# Altium PCB SOM Board with RK3399.PcbDoc (part 2 of 5) (continued)
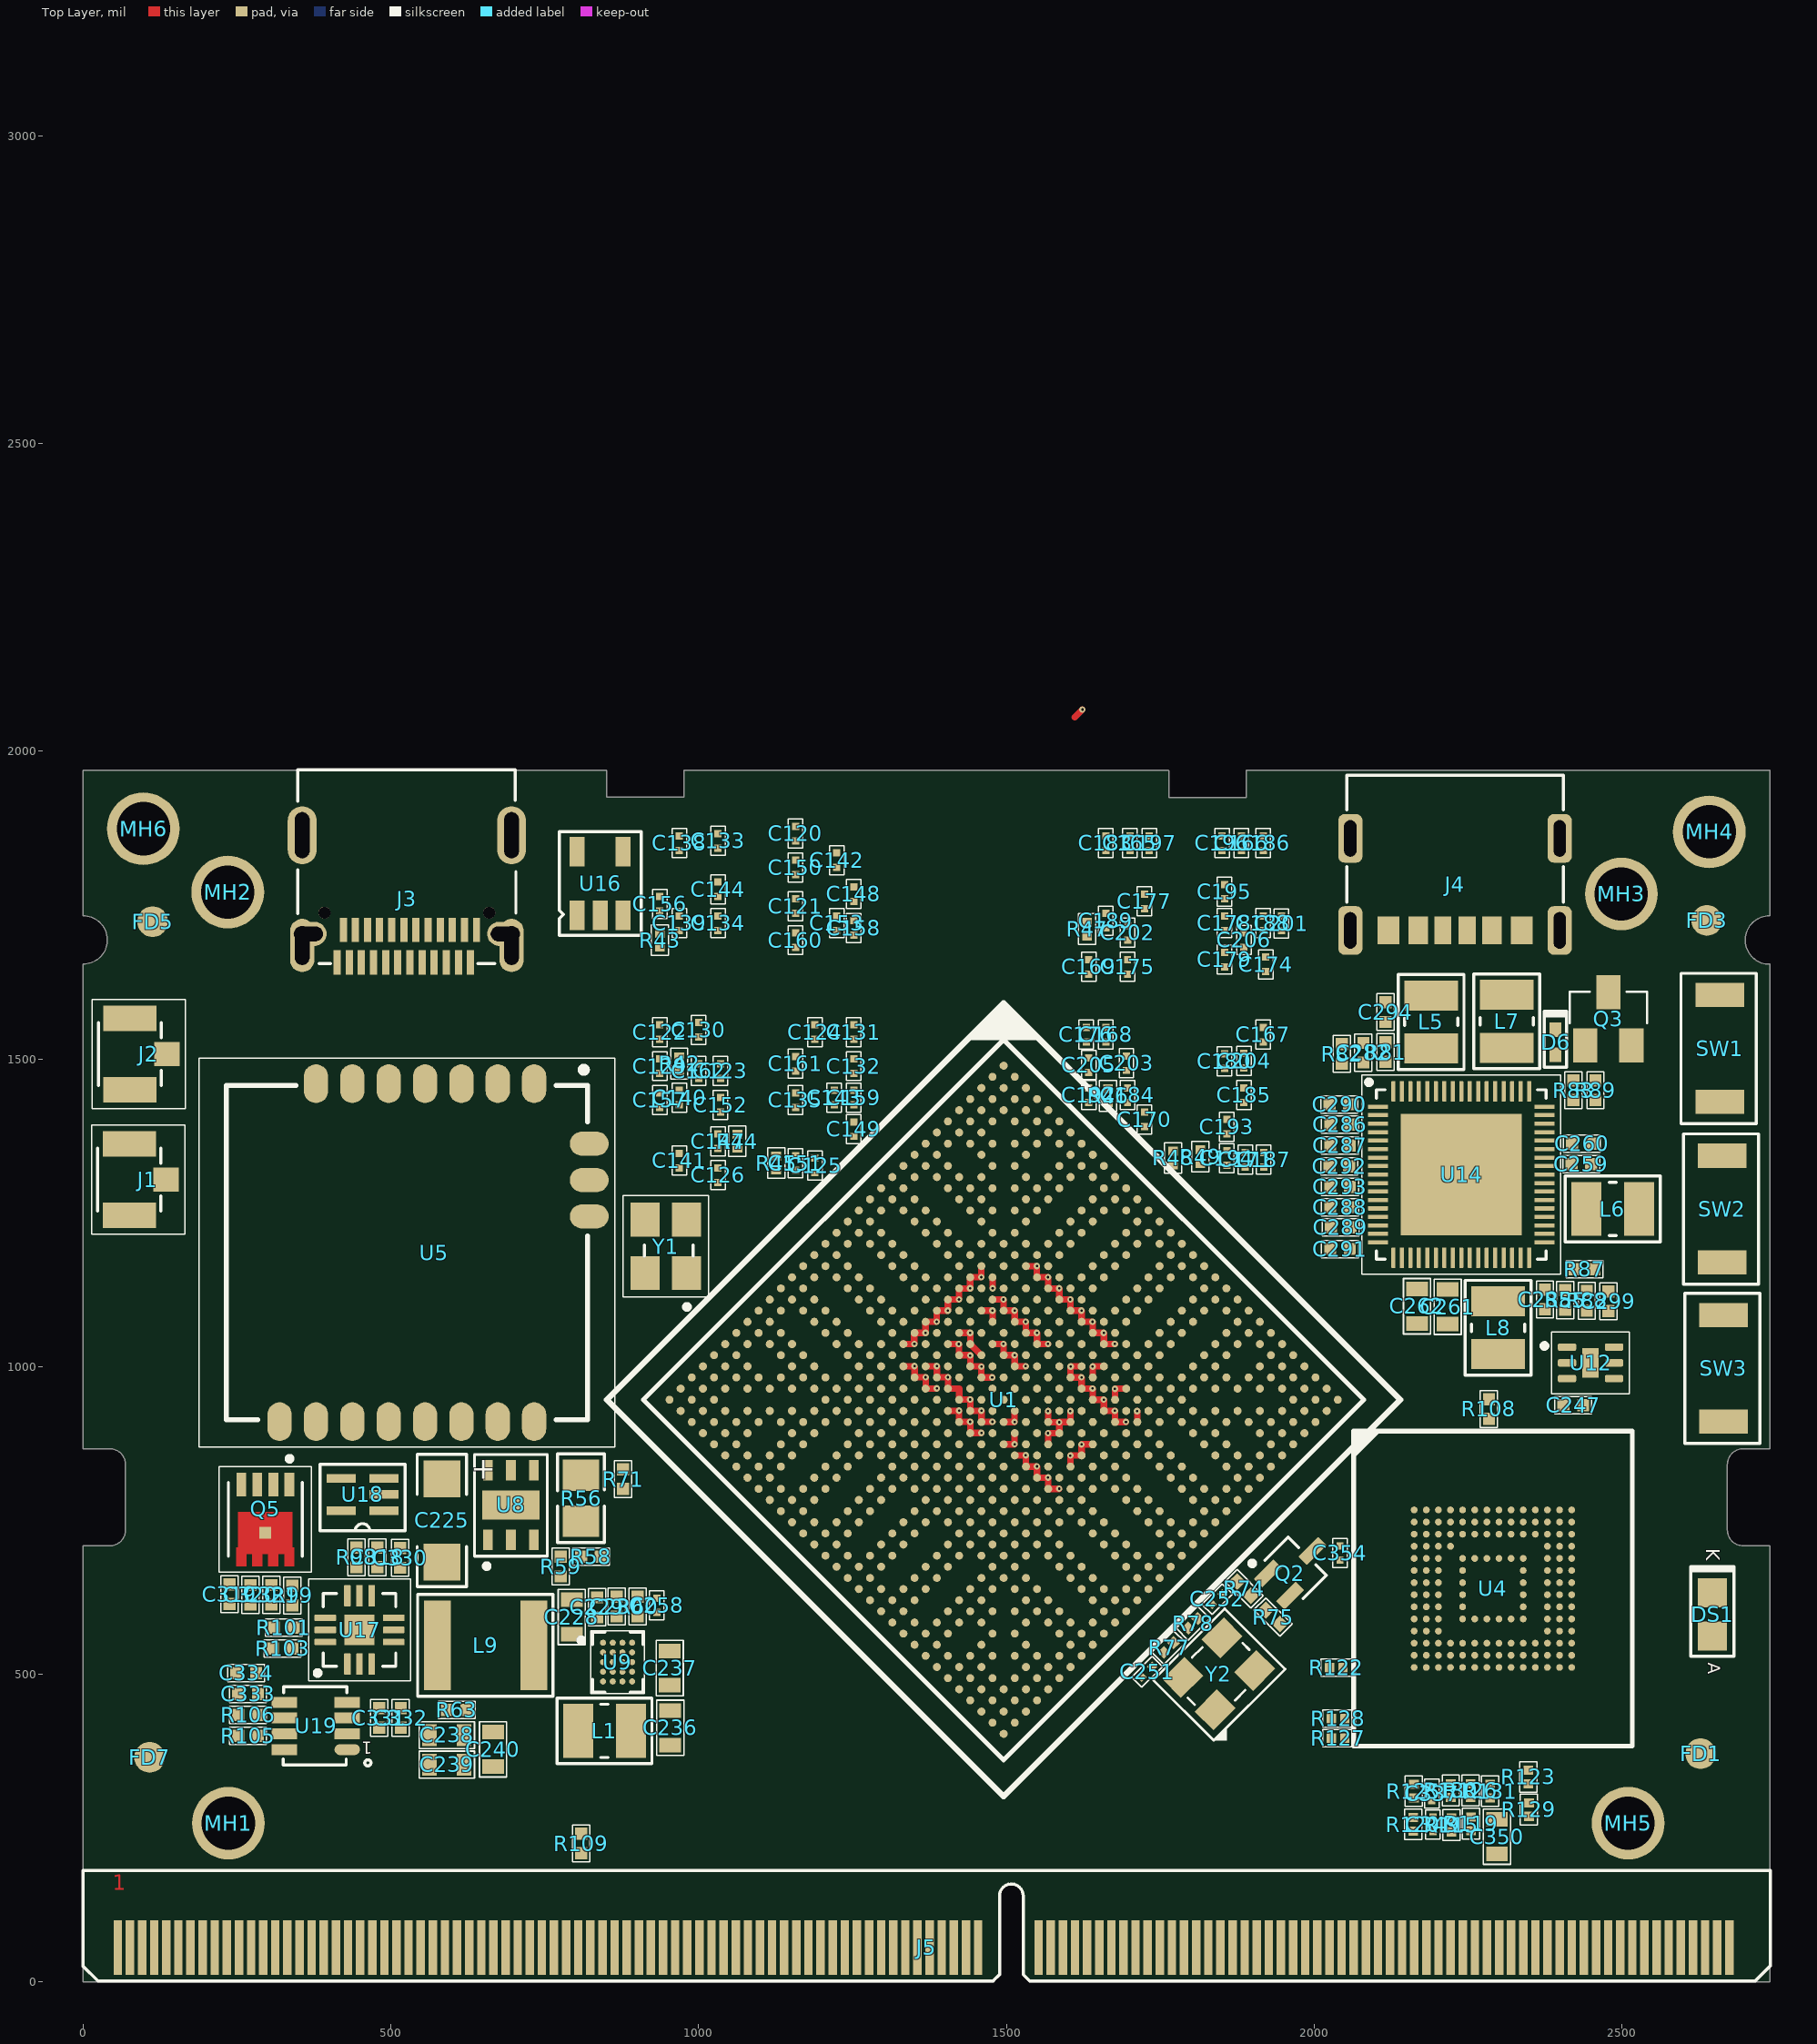
[diagram p0: Top Layer view]
## Footprints (in the part's own frame and the unit in brackets; to place one, negate y for a bottom-side part, rotate by r counter-clockwise, add the part's x,y. Pads: shape width x height; smd on the part's side, far side on the other; paste and mask are expansions set on the pad) (continued)
  silkscreen extent -11.57,-11.57 11.58,11.58, body extent -10.51,-10.51 10.51,10.51, height 1.61
FIDUCIAL_50MIL [mil] "30mil Fiducial"
  round 50 smd mask+20: 1(-0.09,-0.07)
IND_62.9_110X86.6_SMD [mm] "Inductor"
  rect 0.8x1.7 smd: 1(-0.8,0) 2(0.8,0)
  silkscreen extent -1.4,-1.1 1.4,1.1, body extent -0.79,-0.84 0.84,0.84, height 1.2
IND_0805 [mm] "Inductor"
  rect 1.14x1.47 smd: 1(-0.89,0) 2(0.89,0)
  silkscreen extent -1.71,-0.98 1.71,0.98, body extent -1.05,-0.79 1.05,0.79, height 0.9
IND_1008 [mm] "Inductor"
  rect 1.24x2.22 smd: 1(-1.09,0) 2(1.09,0)
  silkscreen extent -1.96,-1.36 1.96,1.36, body extent -1.46,-1.39 1.46,1.4, height 2.01
IND_1616 [mm] "Inductor"
  rect 1.1x3.7 smd: 1(-1.994,0) 2(1.994,0)
  silkscreen extent -2.81,-2.1 2.78,2.1, body extent -2.23,-2.09 2.21,2.04, height 1.26
LED_0805 [mm] "LED"
  rect 1.2x1.2 smd mask+0.076: A(0.889,0) K(-0.889,0)
  silkscreen extent -1.99,-0.89 1.73,0.89, body extent -1.01,-0.62 1.01,0.63, height 1.1
MLP-14_98.4X98.4_SMD [mm] "MLP Package"
  rrect50% 0.7x0.26 smd mask+0.076: 1(-1.25,0.5) 2(-1.25,0) 3(-1.25,-0.5) 8(1.25,-0.5) 9(1.25,0) 10(1.25,0.5)
  rrect50% 0.26x0.7 smd mask+0.076: 4(-0.75,-1.25) 5(-0.25,-1.25) 6(0.25,-1.25) 7(0.75,-1.25) 11(0.75,1.25) 12(0.25,1.25) 13(-0.25,1.25) 14(-0.75,1.25)
  rect 1.1x1.1 smd paste-2 mask+0.076: 15(0,0)
  silkscreen extent -2.23,-1.85 1.85,1.85, body extent -1.3,-1.3 1.3,1.3, height 0.8
MOD_WF60 [mm] "17-Leads, Body 13.50x14.60mm, Pitch 1.50mm, IPC Medium Density"
  oval 1.6x1 smd: 1(-6.975,5.25) 2(-6.975,3.75) 3(-6.975,2.25) 4(-6.975,0.75) 5(-6.975,-0.75) 6(-6.975,-2.25) 7(-6.975,-3.75) 8(6.975,-5.25) 9(6.975,-3.75) 10(6.975,-2.25) 11(6.975,-0.75) 12(6.975,0.75) 13(6.975,2.25) 14(6.975,3.75) 15(6.975,5.25)
  oval 1x1.6 smd: 16(-1.5,7.525) 17(-3,7.525) 18(-4.5,7.525)
  silkscreen extent -8.03,-8.58 8.03,8.57, body extent -6.76,-7.31 6.76,7.31, height 2.7
NFBGA_31.4_125.9X102.36 [mm] "BGA, 20-Leads, Body 3.00x2.50mmx0.80mm, Pitch 0.50mm"
  round 0.29 smd: A1(-1,0.75) A2(-1,0.25) A3(-1,-0.25) A4(-1,-0.75) B1(-0.5,0.75) B2(-0.5,0.25) B3(-0.5,-0.25) B4(-0.5,-0.75) C1(0,0.75) C2(0,0.25) C3(0,-0.25) C4(0,-0.75) D1(0.5,0.75) D2(0.5,0.25) D3(0.5,-0.25) D4(0.5,-0.75) E1(1,0.75) E2(1,0.25) E3(1,-0.25) E4(1,-0.75)
  silkscreen extent -1.95,-1.5 1.75,1.5, body extent -1.5,-1.25 1.5,1.25, height 0.8
PowerPAK_1212-8_SMD [mm] "Mosfet"
  rect 0.99x0.405 smd: 1(-0.996,0.99) 2(-0.996,0.33) 3(-0.996,-0.33) 4(-0.996,-0.99)
  rect 0.5x0.5 smd paste-1 mask+0: 5(0.996,0)
  Top Layer region: 2.369,0.787 1.859,0.787 1.859,0.533 2.369,0.533 2.369,0.128 1.859,0.128 1.859,-0.128 2.369,-0.128 2.369,-0.533 1.859,-0.533 1.859,-0.787 2.369,-0.787 2.369,-1.195 1.609,-1.195 1.609,-1.118 0.134,-1.118 0.134,1.118 1.609,1.118 1.609,1.195 2.369,1.195
  silkscreen extent -2.16,-1.9 2.62,1.9, body extent -1.16,-1.68 2.14,1.62, height 1.05
QFN48_19.6_324X324_SMD [mm] "QFN Package"
  rect 0.86x0.26 smd: 1(-3.435,2.75) 2(-3.435,2.25) 3(-3.435,1.75) 4(-3.435,1.25) 5(-3.435,0.75) 6(-3.435,0.25) 7(-3.435,-0.25) 8(-3.435,-0.75) 9(-3.435,-1.25) 10(-3.435,-1.75) 11(-3.435,-2.25) 12(-3.435,-2.75) 25(3.435,-2.75) 26(3.435,-2.25) 27(3.435,-1.75) 28(3.435,-1.25) 29(3.435,-0.75) 30(3.435,-0.25) 31(3.435,0.25) 32(3.435,0.75) 33(3.435,1.25) 34(3.435,1.75) 35(3.435,2.25) 36(3.435,2.75)
  rect 0.26x0.86 smd: 13(-2.75,-3.435) 14(-2.25,-3.435) 15(-1.75,-3.435) 16(-1.25,-3.435) 17(-0.75,-3.435) 18(-0.25,-3.435) 19(0.25,-3.435) 20(0.75,-3.435) 21(1.25,-3.435) 22(1.75,-3.435) 23(2.25,-3.435) 24(2.75,-3.435) 37(2.75,3.435) 38(2.25,3.435) 39(1.75,3.435) 40(1.25,3.435) 41(0.75,3.435) 42(0.25,3.435) 43(-0.25,3.435) 44(-0.75,3.435) 45(-1.25,3.435) 46(-1.75,3.435) 47(-2.25,3.435) 48(-2.75,3.435)
  rect 5.1x5.1 smd: 49(0,0)
  silkscreen extent -4.12,-4.12 4.12,4.12
QFN68_13.7_220.4X220.4_SMD [mm] "QFN Package"
  rrect25% 0.84x0.17 smd mask+0.076: 1(-3.435,2.8) 2(-3.435,2.45) 3(-3.435,2.1) 4(-3.435,1.75) 5(-3.435,1.4) 6(-3.435,1.05) 7(-3.435,0.7) 8(-3.435,0.35) 9(-3.435,0) 10(-3.435,-0.35) 11(-3.435,-0.7) 12(-3.435,-1.05) 13(-3.435,-1.4) 14(-3.435,-1.75) 15(-3.435,-2.1) 16(-3.435,-2.45) 17(-3.435,-2.8) 35(3.435,-2.8) 36(3.435,-2.45) 37(3.435,-2.1) 38(3.435,-1.75) 39(3.435,-1.4) 40(3.435,-1.05) 41(3.435,-0.7) 42(3.435,-0.35) 43(3.435,0) 44(3.435,0.35) 45(3.435,0.7) 46(3.435,1.05) 47(3.435,1.4) 48(3.435,1.75) 49(3.435,2.1) 50(3.435,2.45) 51(3.435,2.8)
  rrect25% 0.17x0.84 smd mask+0.076: 18(-2.8,-3.435) 19(-2.45,-3.435) 20(-2.1,-3.435) 21(-1.75,-3.435) 22(-1.4,-3.435) 23(-1.05,-3.435) 24(-0.7,-3.435) 25(-0.35,-3.435) 26(0,-3.435) 27(0.35,-3.435) 28(0.7,-3.435) 29(1.05,-3.435) 30(1.4,-3.435) 31(1.75,-3.435) 32(2.1,-3.435) 33(2.45,-3.435) 34(2.8,-3.435) 52(2.8,3.435) 53(2.45,3.435) 54(2.1,3.435) 55(1.75,3.435) 56(1.4,3.435) 57(1.05,3.435) 58(0.7,3.435) 59(0.35,3.435) 60(0,3.435) 61(-0.35,3.435) 62(-0.7,3.435) 63(-1.05,3.435) 64(-1.4,3.435) 65(-1.75,3.435) 66(-2.1,3.435) 67(-2.45,3.435) 68(-2.8,3.435)
  rect 5x5 smd paste-4 mask+0.076: 69(0,0)
  silkscreen extent -4.11,-4.11 4.11,4.11, body extent -3.5,-3.51 3.51,3.51, height 1.3
QFN-12_19_118X118_SMD [mm] "QFN Package"
  rrect25% 0.89x0.27 smd: 1(-1.41,0.5) 2(-1.41,0) 3(-1.41,-0.5) 7(1.41,-0.5) 8(1.41,0) 9(1.41,0.5)
  rrect25% 0.27x0.89 smd: 4(-0.5,-1.41) 5(0,-1.41) 6(0.5,-1.41) 10(0.5,1.41) 11(0,1.41) 12(-0.5,1.41)
  rect 1.25x1.25 smd paste-2: 13(0,0)
  silkscreen extent -2.1,-2.1 2.1,2.1, body extent -1.5,-1.5 1.5,1.5, height 1
RES_0201 [mm]
  rect 0.38x0.4 smd: 1(-0.28,0) 2(0.28,0)
  silkscreen extent -0.64,-0.36 0.64,0.36, body extent -0.34,-0.16 0.34,0.17, height 0.35
RES_0402 [mm]
  rect 0.5x0.5 smd mask+0.051: 1(-0.406,0) 2(0.406,0)
  silkscreen extent -0.76,-0.36 0.76,0.36, body extent -0.5,-0.25 0.5,0.25, height 0.3
RES_0805 [mm] "Resister"
  rect 1.3x1.5 smd mask+0.076: 1(0.95,0) 2(-0.95,0)
  silkscreen extent -1.83,-0.97 1.83,0.97, body extent -1,-0.63 1,0.62, height 0.5
SC70-5 [mil]
  rect 47.24x14 smd: 1(-35,26) 2(-35,0) 3(-35,-26) 4(35,-26) 5(35,26)
  silkscreen extent -69,-49 69,59, body extent -41,-39 41,39, height 37
SOM_MOUNTING [mm]
  round 3 hole 2.2: 1(0,0)
SOT23-5 [mm] "CASE: SOT"
  rect 0.62x1.22 smd mask+0.076: 1(-0.953,-1.31) 2(-0.002,-1.31) 3(0.947,-1.31) 4(0.953,1.31) 5(-0.953,1.31)
  silkscreen extent -1.69,-2.14 1.69,2.14, body extent -1.5,-1.5 1.5,1.5, height 1.41
SOT23-8 [mm] "Case-SOT"
  oval 1.05x0.45 smd mask+0.076: 1(-1.3,0.975)
  rect 1.05x0.45 smd mask+0.076: 2(-1.3,0.325) 3(-1.3,-0.325) 4(-1.3,-0.975) 5(1.3,-0.975) 6(1.3,-0.325) 7(1.3,0.325) 8(1.3,0.975)
  silkscreen extent -2.28,-1.62 1.35,1.65, body extent -1.45,-1.47 1.5,1.48, height 1.1
"SOT 23-3" [mm] "Case: SOT23"
  rect 1.4x1 smd paste+0 mask+0.076: 1(1.1,-0.95) 2(1.1,0.95) 3(-1.1,0)
  silkscreen extent -1.12,-1.6 0.18,1.6, body extent -1.5,-1.5 1.5,1.5, height 1.3
SOT-323-3 [mm] "SOT Package"
  rrect13% 1.15x0.5 smd: 1(-0.98,0.65) 2(-0.98,-0.65) 3(0.98,0)
  silkscreen extent -1.24,-1.11 0.68,1.5, body extent -1.12,-1.1 1.12,1.1, height 1.11
SW_177_39.3X77.7_SMD [mm] "SMD Switch"
  rect 1x2 smd: 1(-2.2,0) 2(2.2,0)
  silkscreen extent -3.1,-1.5 3.1,1.6, body extent -2.1,-1.2 1.9,1.3, height 1.61
WDFN-6_26_133X100_SMD [mm] "SMD Package"
  rrect50% 0.76x0.31 smd: 1(-0.97,0.65) 2(-0.97,0) 3(-0.97,-0.65) 4(0.97,-0.65) 5(0.97,0) 6(0.97,0.65)
  rect 0.675x1.225 smd paste-2: 7(0,0)
  silkscreen extent -2,-1.28 1.6,1.28, body extent -1,-1 1,1, height 0.8
XTAL_57_35X31_SMD [mm] "Crystal"
  rect 1.4x1.2 smd: 1(0,0) 2(2.2,0) 3(2.2,1.7) 4(0,1.7)
  silkscreen extent -1.5,-0.91 3.2,2.62
XTAL_ABM8AIG-24.000MHZ-12-2Z-T3 [mm] "Crystal"
  rect 1.3x1.1 smd: 1(-1.15,-0.95) 2(1.15,-0.95) 3(1.15,0.95) 4(-1.15,0.95)
  silkscreen extent -2.08,-2.18 2.08,1.73, body extent -1.25,-1 1.25,1, height 0.81
XTAL_ECS-.327-6-34RR-TR [mil] "Crystal"
  rect 39.37x60 smd: 1(-64.88,0) 2(64.88,0)
  silkscreen extent -92,-38 93,39, body extent -65,-30 73,30, height 35

## Part data
C1 C3 C4 C5 C7 C15 C93 C101 C111 C119 C128 C137 C146 C155 C164 C173 C182 C191 C200 C211 C243 C246 C247 C300 C313 C314 C320 C321 C331 C333 C334 C351: library part CAP_10uF-10V-20%-0402, "10µF ±20% 10V Ceramic Capacitor X5R 0402 (1005 Metric)", Case/Package=0402, Manufacturer="Samsung Electro-Mechanics", Manufacturer Part Number=CL05A106MP5NUNC, Supplier-1=Digikey
C6 C14 C30 C31 C32 C40 C41 C42 C43 C44 C45 C46 C47 C100 C110 C118 C127 C136 C145 C154 C163 C172 C181 C190 C199: library part CAP_22uF-6.3V-20%-0402, "22µF ±20% 6.3V Ceramic Capacitor X5R 0402 (1005 Metric)", Case/Package=0402, Manufacturer="Murata Electronics", Manufacturer Part Number=CL05A226MQ5N6J8, Supplier-1=Digikey
C8 C16 C24 C33 C48 C62 C63 C72 C75 C102 C112 C120 C129 C138 C147 C156 C165 C174 C183 C192 C201 C257 C258 C335 C336 C338: library part CAP_1uF-16V-10%-0201, "1µF ±20% 16V Ceramic Capacitor X5R 0201 (0603 Metric)", Case/Package=0201, Manufacturer="Samsung Electro-Mechanics", Manufacturer Part Number=CL03A105MO3NRNH, Supplier-1=Digikey
C9 C10 C11 C12 C17 C18 C19 C20 C25 C26 C27 C28 C34 C35 C36 C37 C38 C49 C50 C51 C52 C53 C54 C56 C57 C58 C59 C61 C64 C65 C66 C67 C68 C69 C70 C71 C73 C74 C76 C77 C78 C79 C80 C81 C82 C83 C84 C85 C86 C87 C88 C89 C90 C91 C92 C94 C95 C96 C97 C98 C99 C103 C104 C105 C106 C107 C108 C109 C113 C114 C115 C116 C117 C121 C122 C123 C124 C125 C126 C130 C131 C132 C133 C134 C135 C139 C140 C141 C142 C143 C144 C148 C149 C150 C151 C152 C153 C157 C158 C159 C160 C161 C162 C166 C167 C168 C169 C170 C171 C175 C176 C177 C178 C179 C180 C184 C185 C186 C187 C188 C189 C193 C194 C195 C196 C197 C198 C202 C203 C204 C205 C206 C207 C208 C209 C210 C212 C213 C250 C253 C254 C255 C256 C337 C339 C340 C341 C342 C343 C344 C347 C348 C349 C352: library part CAP_100nF-25V-10%-0201, "0.1µF ±10% 25V Ceramic Capacitor X5R 0201 (0603 Metric)", Case/Package=0201, Manufacturer="TDK Corporation", Manufacturer Part Number=C0603X5R1E104K030BB, Supplier-1=Digikey
C13 C21 C29 C39 C55 C60: library part CAP_1nF-16V-10%-0201, "1000pF ±10% 16V Ceramic Capacitor X7R 0201 (0603 Metric)", Case/Package=0201, Manufacturer="Murata Electronics", Manufacturer Part Number=GRM033R71C102KA01D, Supplier-1=Digikey
C216 C325: library part CAP_4.7uF-10V-10%-0402, "4.7µF ±10% 10V Ceramic Capacitor X5R 0402 (1005 Metric)", Case/Package=0402, Manufacturer="Samsung Electro-Mechanics", Manufacturer Part Number=CL05A475KP5NRNC, Supplier-1=Digikey
C217 C218 C221 C229 C230 C231 C233 C241 C242 C244 C248 C259 C260 C272 C295 C296 C297 C298 C304 C305 C306 C307 C308 C312 C317 C319 C324 C328 C329 C332: library part CAP_100nF-25V-10%-0402, "0.1µF ±10% 25V Ceramic Capacitor X7R 0402 (1005 Metric)", Case/Package=0402, Manufacturer="Walsin Technology Corporation", Manufacturer Part Number=0402B104K250CT, Supplier-1=Digikey
C219 C225: library part CAP-P_10uF-16V-10%-1206, "10µF Molded Tantalum Capacitors 16V 1206 (3216 Metric) 3Ohm", Alternate Part Number-1=CA45-A016K106T, Case/Package=1206, Manufacturer="AVX Corporation", Manufacturer Part Number=TAJA106K016SNJ, Nymble Part Number=1EA-AA-0003, Category=Capacitor, Number of Pins=2, Supplier Part Number-1=TAJA106K016SNJ, Supplier-1=SIRICOM
C223 C224 C273 C274 C275 C276 C277 C278 C279 C280 C281 C283 C299 C326 C327 C330: library part CAP_1uF-16V-10%-0402, "1µF ±10% 16V Ceramic Capacitor X5R 0402 (1005 Metric)", Case/Package=0402, Manufacturer="Knowles Novacap", Manufacturer Part Number=0402BW105K160YT, Supplier-1=Digikey
C226: library part CAP_1nF-16V-10%-0402, "1000pF ±10% 16V Ceramic Capacitor X7R 0402 (1005 Metric)", Case/Package=0402, Manufacturer=Yageo, Manufacturer Part Number=CC0402KRX7R7BB102, Supplier-1=Digikey
C227: library part CAP_10nF-10V-10%-0402, "10000pF ±10% 10V Ceramic Capacitor X7R 0402 (1005 Metric)", Case/Package=0402, Manufacturer="AVX Corporation", Manufacturer Part Number=0402ZC103KAT2A, Supplier-1=Digikey
C228 C232 C234 C235 C236 C237 C238 C239 C240 C245 C261 C262 C263 C264 C265 C266 C267 C269 C270 C271 C315 C316 C322 C323: library part CAP_22uF-10V-20%-0603, "22µF ±20% 10V Ceramic Capacitor X5R 0603 (1608 Metric)", Case/Package=0603, Manufacturer="Murata Electronics", Manufacturer Part Number=GRM188R61A226ME15D, Supplier-1=Digikey
C249: library part CAP_22nF-10V-10%-0402, "0.022µF ±10% 10V Ceramic Capacitor X7R 0402 (1005 Metric)", Case/Package=0402, Manufacturer="Samsung Electro-Mechanics", Manufacturer Part Number=CL05B223KP5NNNC, Supplier-1=Digikey
C251 C252 C353 C354: library part CAP_12pF-16V-10%-0201, "12pF ±10% 16V Ceramic Capacitor C0G, NP0 0201 (0603 Metric)", Case/Package=0201, Manufacturer="AVX Corporation", Manufacturer Part Number=0201YA120KAT2A, Supplier-1=Digikey
C268: library part CAP_47pF-10V-10%-0402, "47pF ±10% 10V Ceramic Capacitor C0G, NP0 0402 (1005 Metric)", Case/Package=0402, Manufacturer=KEMET, Manufacturer Part Number=C0402C470K8GAC7867, Supplier-1=Supplier-1
C282 C294: library part CAP_22pF-10V-10%-0402, "22pF ±10% 10V Ceramic Capacitor C0G, NP0 0402 (1005 Metric)", Case/Package=0402, Manufacturer=KEMET, Manufacturer Part Number=C0402C220K8GACTU, Supplier-1=Digikey
C284 C285 C286 C287 C288 C289 C290 C291 C292 C293: library part CAP_2.2uF-10V-10%-0402, "2.2µF ±10% 10V Ceramic Capacitor X5R 0402 (1005 Metric)", Case/Package=0402, Manufacturer="Murata Electronics", Manufacturer Part Number=GRM155R61A225KE95D, Supplier-1=Digikey
C301 C302: library part CAP_220pF-10V-10%-0402, "220pF ±10% 10V Ceramic Capacitor X7R 0402 (1005 Metric)", Case/Package=0402, Manufacturer=KEMET, Manufacturer Part Number=C0402C221K8RAC7867, Supplier-1=Digikey
C303: library part CAP_100nF-10V-5%-0603, "0.1µF ±10% 10V Ceramic Capacitor X7R 0603 (1608 Metric)", Case/Package=0603, Manufacturer=Yageo, Manufacturer Part Number=CC0603KRX7R6BB104, Supplier-1=Digikey
C309 C310 C311: library part CAP_1uF-10V-10%-0402, "1µF ±10% 10V Ceramic Capacitor X6S 0402 (1005 Metric)", Case/Package=0402, Manufacturer="Murata Electronics", Manufacturer Part Number=GRT155C81A105KE01D, Supplier-1=Digikey
C318: library part CAP_220nF-10V-10%-0402, "0.22µF ±10% 10V Ceramic Capacitor X7R 0402 (1005 Metric)", Case/Package=0402, Manufacturer="Samsung Electro-Mechanics", Manufacturer Part Number=CL05B224KP5NNNC, Supplier-1=Digikey
C345: library part CAP_4.7nF-10V-10%-0201, "4700pF ±10% 10V Ceramic Capacitor X7R 0201 (0603 Metric)", Case/Package=0201, Manufacturer="AVX Corporation", Manufacturer Part Number=0201ZC472KAT2A, Supplier-1=Digikey
C346: library part CAP_4.7uF-6.3V-20%-0201, "4.7µF ±20% 6.3V Ceramic Capacitor X5R 0201 (0603 Metric)", Case/Package=0201, Manufacturer="Murata Electronics", Manufacturer Part Number=GRM035R60J475ME15D, Supplier-1=Digikey
C350: library part CAP_1uF-10V-5%-0603, "1µF ±10% 10V Ceramic Capacitor X5R 0603 (1608 Metric)", Case/Package=0603, Manufacturer="Samsung Electro-Mechanics", Manufacturer Part Number=CL10A105KP8NNNC, Supplier-1=Digikey
D1 D2 D3 D7: library part DIO-Z_3.3V-300mW-SOD-523, "Zener Diode 3.3V 300mW ±6% Surface Mount SOD-523", Case/Package=SOD523, Manufacturer="Diodes Incorporated", Manufacturer Part Number=BZT52C3V3T-7, Supplier-1=Digikey
D4: library part DIO-S-A_30V-200mA-SOT-323, "Diode Array 1 Pair Common Cathode Schottky 30V 200mA (DC) Surface Mount SC-70, SOT-323", Case/Package=SOT323, Manufacturer="ON Semiconductor", Manufacturer Part Number=BAT54CWT1G, Supplier-1=Digikey
D5: library part DIO_75V-200mA-SOD-523F, "Diode Standard 100V 300mA (DC) Surface Mount SOD-123", Case/Package=SOD123, Manufacturer=FAIRCHILD, Manufacturer Part Number=1N4148WT, Supplier-1=SIRICOM
D6: library part DIO-T_10V-39V-0402, "39V Varistor 1 Circuit Surface Mount, MLCV 0402 (1005 Metric)", Case/Package=0402, Manufacturer="TDK Corporation", Manufacturer Part Number=AVRL101A1R1NTB, Supplier-1=Digikey
DS1: library part LED_RED-2V-20mA-0805, "Red 631nm LED Indication - Discrete 2V 0805 (2012 Metric)", Case/Package=0805, Manufacturer="Vishay Lite-On", Manufacturer Part Number=LTST-C171KRKT, Supplier-1="SP ROAD"
FB1 FB2 FB3 FB4 FB5 FB6 FB7 FB8 FB9 FB10: library part FB_120R-1.3A-100Mhz-0402, "120 Ohms @ 100MHz 1 Power Line Ferrite Bead 0402 (1005 Metric) 1.3A 90mOhm", Case/Package=0402, Manufacturer="Murata Electronics", Mnaufacturer Part Number=BLM15PD121SN1D, Supplier-1=Digikey
FD1 FD2 FD3 FD4 FD5 FD6 FD7 FD8: library part Fiducials, "78.7 or 50 mil Fiducials SMD", Alternate Part Number-1=NA, Case/Package=SMD, Category=Fiducial, Manufacturer=NA, Manufacturer Part Number=NA, Number of Pins=1, Supplier Part Number-1=NA, Supplier-1=NA
J1 J2: library part CON-PLG_3X1-ECT818000071-ST-SMD, "SMD RF Connectors/Coaxial Connectors RoHS", Case/Package=SMD, Manufacturer=ECT, Manufacturer Part Number=ECT818000071, Supplier-1=LCSC
J3: library part CON-TYPEC_U262-241N-4BV64-SMD, "USB - Type C Female 24 SMD USB Connectors RoHS", Case/Package=SMD, Manufacturer="XKB Connectivity", Manufacturer Part Number=U262-241N-4BV64, Supplier-1=LCSC
J4: library part CON-TYPEC_6X1-100-RA-TH, "USB Connectors USB jack, C type, power only, 6 pin, horizonal, gold flash plating, surface mount, T&R", Case/Package=TH, Manufacturer="CUI Devices", Manufacturer Part Number=UJC-HP-3-SMT-TR, Supplier-1=Mouser
J5: library part CON-DIMM_260-SMD, "Dimm 260 pin smd plating on pcb", Case/Package=NA, Manufacturer=NA, Manufacturer Part Number=NA, Supplier-1=NA
L1 L2: library part IND_470nH-5A-20%-1008, "470nH Shielded Wirewound Inductor 5A 35mOhm Max 1008 (2520 Metric)", Case/Package=1008, Manufacturer="Murata Electronics", Manufacturer Part Number=DFE252010P-R47M=P2, Supplier-1=Digikey
L3 L5 L6 L7 L8 L10: library part IND_1uH-3.8A-20%-1008, "1µH Shielded Wirewound Inductor 3.8A 54mOhm Max 1008 (2520 Metric)", Case/Package=1008, Manufacturer="Murata Electronics", Manufacturer Part Number=DFE252010P-1R0M=P2, Supplier-1=Digikey
L4: library part IND_1uF-0.5A-20%-0805, "1uH ±20% 500mA 150mΩ 0805 Inductors (SMD) RoHS", Case/Package=0805, Manufacturer="Taiyo Yuden", Manufacturer Part Number=CB2012T1R0M, Supplier-1=LCSC
L9: library part IND_1.5uH-6A-20%-SMD, "Wire Wound SMD Power Inductors – WPN Series / Operating Temp. : -40℃~+125℃ (Including self-heating)", Case/Package=SMD, Manufacturer=Sunlord, Mnaufcaturer Part Number=WPN4020H1R5MT, Supplier-1=NA
L11: library part IND_4.7uH-0.9A-20%-SMD, "4.7uH ±20% 900mA 425mΩ SMD,2.0x1.6x1.0mm Power Inductors RoHS", Case/Package=SMD, Manufacturer=Sunlord, Manufacturer Part Number=WPN201610H4R7MT, Supplier-1=LCSC
MH1 MH2 MH3 MH4 MH5 MH6: library part MH_3.5H_6D, Case/Package=TH, Manufacturer=NA, Manufacturer Part Number=NA, Supplier-1=NA
Q1: library part MOSFET-P_50V-130mA-SOT-323, "P-Channel 50V 130mA (Ta) 200mW (Ta) Surface Mount SOT-323", Case/Package=SOT-323, Manufacturer="Diodes Incorporated", Manufacturer Part Number=BSS84W-7-F, Supplier-1=Digikey
Q2: library part TRNS-NPN_60V-0.2A-SOT323, "Bipolar Transistors - BJT 200mA 60V NPN", Case/Package=SOT323, Manufacturer="ON Semiconductor", Manufacturer Part Number=MMBT3904WT1G, Supplier-1=Digikey
Q3: library part MOSFET-N_20V-2.9A-SOT-23, "N Channel 20V 2.9A 1V @ 250uA 47mΩ @ 3.6A,4.5V 700mW SOT-23(SOT-23-3) MOSFET RoHS", Case/Package=SOT-23(SOT-23-3), Manufacturer="WILLSEMI(Will Semicon)", Manufacturer Part Number=WNM2016-3/TR, Supplier-1=LCSC
Q4 Q6: library part MOSFET-N_20V-820mA-SOT-323, "N Channel 20V 820mA 850mV @ 250uA 310mΩ @ 550mA,4.5V 310mW SOT-323(SC-70) MOSFET RoHS", Case/Package=SOT-323(SC-70), Manufacturer="WILLSEMI(Will Semicon)", Manufacturer Part Number=WNM2021-3/TR, Supplier-1=LCSC
Q5: library part MOSFET-P_20V-35A-1212-8, "P-Channel 20V 35A (Tc) 33W (Tc) Surface Mount PowerPAK® 1212-8", Case/Package="PowerPAK® 1212-8", Manufacturer="Vishay Siliconix", Manufacturer Part Number=SI7615CDN-T1-GE3, Supplier-1=Digikey
R1 R23 R24 R25 R26 R27 R28 R29: library part RES_22R-0.05W-1%-0201, "22 Ohms ±1% 0.05W, 1/20W Chip Resistor 0201 (0603 Metric) Moisture Resistant Thick Film", Case/Package=0201, Manufacturer=Yageo, Manufacturer Part Number=RC0201FR-0722RL, Supplier-1=Digikey
R2 R76 R117 R119 R120: library part RES_33R-0.05W-1%-0201, "33 Ohms ±1% 0.05W, 1/20W Chip Resistor 0201 (0603 Metric) Thick Film", Case/Package=0201, Manufacturer=Yageo, Manufacturer Part Number=RC0201FR-0733RL, Supplier-1=Digikey
R3 R5 R42 R43 R46 R47 R50: library part RES_10K-0.05W-1%-0201, "10 kOhms ±1% 0.05W, 1/20W Chip Resistor 0201 (0603 Metric) Thick Film", Case/Package=0201, Manufacturer="Stackpole Electronics Inc", Manufacturer Part Number=RMCF0201FT10K0, Supplier-1=Digikey
R4: library part RES_100R-0.05W-1%-0201, "100 kOhms ±1% 0.05W, 1/20W Chip Resistor 0201 (0603 Metric) Automotive AEC-Q200 Thick Film", Case/Package=0201, Manufacturer="Panasonic Electronic Components", Manufacturer Part Number=ERJ-1GNF1003C, Supplier-1=Digikey
R6: library part RES_1.62K-0.05W-1%-0201, "1.62 kOhms ±1% 0.05W, 1/20W Chip Resistor 0201 (0603 Metric) Automotive AEC-Q200 Thick Film", Case/Package=0201, Manufacturer="Panasonic Electronic Components", Manufacturer Part Number=ERJ-1GNF1621C, Supplier-1=Digikey
R7: library part RES_6.04K-0.05W-1%-0201, "6.04 kOhms ±1% 0.05W, 1/20W Chip Resistor 0201 (0603 Metric) Thick Film", Case/Package=0201, Manufacturer="Panasonic Electronic Components", Manufacturer Part Number=ERJ-1GEF6041C, Supplier-1=Digikey
R8 R21 R22: library part RES_4.02K-0.05W-1%-0201, "4.02 kOhms ±1% 0.05W, 1/20W Chip Resistor 0201 (0603 Metric) Thick Film", Case/Package=0201, Manufacturer=Yageo, Manufacturer Part Number=RC0201FR-074K02L, Supplier-1=Digikey
R9 R11 R34 R35 R38 R39 R78: library part RES_1K-0.05W-1%-0201, "1 kOhms ±1% 0.05W, 1/20W Chip Resistor 0201 (0603 Metric) Thick Film", Case/Package=0201, Manufacturer=Yageo, Manufacturer Part Number=RC0201FR-071KL, Supplier-1=Digikey
R10 R12: library part RES_133R-0.05W-1%-0201, "133 Ohms ±1% 0.05W, 1/20W Chip Resistor 0201 (0603 Metric) Automotive AEC-Q200 Thick Film", Case/Package=0201, Manufacturer="Panasonic Electronic Components", Manufacturer Part Number=ERJ-1GNF1330C, Supplier-1=Digikey
R13 R14 R15 R16: library part RES_499R-0.05W-1%-0201, "499 Ohms ±1% 0.05W, 1/20W Chip Resistor 0201 (0603 Metric) Thick Film", Case/Package=0201, Manufacturer="Stackpole Electronics Inc", Manufacturer Part Number=RMCF0201FT499R, Supplier-1=Digikey
R17 R18 R19 R20 R30 R31 R32 R33 R36 R37: library part RES_2.2K-0.05W-1%-0201, "2.2 kOhms ±1% 0.05W, 1/20W Chip Resistor 0201 (0603 Metric) Thick Film", Case/Package=0201, Manufacturer="Stackpole Electronics Inc", Manufacturer Part Number=RMCF0201FT2K20, Supplier-1=Digikey
R40 R41 R44 R45 R48 R49: library part RES_240R-0.05W-1%-0201, "240 Ohms ±1% 0.05W, 1/20W Chip Resistor 0201 (0603 Metric) Thick Film", Case/Package=0201, Manufacturer=Yageo, Manufacturer Part Number=RC0201FR-07240RL, Supplier-1=Digikey
R51 R53 R58 R60 R62 R67 R74 R82 R83 R84 R101 R103 R109: library part RES_10K-0.1W-1%-0402, "10 kOhms ±1% 0.1W, 1/10W Chip Resistor 0402 (1005 Metric) Anti-Sulfur Thin Film", Case/Package=0402, Manufacturer="Vishay Beyschlag/Draloric/BC Components", Manufacturer Part Number=MCS04020C1002FE000, Supplier-1=Digikey
R52 R55 R59 R90 R108: library part RES_1K-0.1W-1%-0402, "1 kOhms ±1% 0.1W, 1/10W Chip Resistor 0402 (1005 Metric) Anti-Sulfur Thin Film", Case/Package=0402, Manufacturer="Vishay Beyschlag/Draloric/BC Components", Manufacturer Part Number=MCS04020C1001FE000, Supplier-1=Digikey
R54 R75: library part RES_47K-0.1W-1%-0402, "47 kOhms ±1% 0.1W, 1/10W Chip Resistor 0402 (1005 Metric) Automotive AEC-Q200 Thick Film", Case/Package=0402, Manufacturer="Panasonic Electronic Components", Manufacturer Part Number=ERJ-2RKF4702X, Supplier-1=Digikey
R56: library part RES_40.2K-0.125W-1%-0805, "40.2 kOhms ±1% 0.125W, 1/8W Chip Resistor 0805 (2012 Metric) Automotive AEC-Q200 Thick Film", Alternate Part Number-1=NA, Case/Package=0805, Manufacturer="TE Connectivity", Manufacturer Part Number=RMCF0805FT40K2, Nymble Part Number=1EA-AA-0396, Supplier Part Number-1=WR08X4022FTL, Category=Resistor, Number of Pins=2, Supplier-1=SIRICOM
R57: library part RES_120K-0.1W-1%-0402, "120 kOhms ±1% 0.1W, 1/10W Chip Resistor 0402 (1005 Metric) Anti-Sulfur Thin Film", Case/Package=0402, Manufacturer="Vishay Beyschlag/Draloric/BC Components", Manufacturer Part Number=MCS04020C1203FE000, Supplier-1=Digikey
R61 R63 R85 R86: library part RES_100R-0.1W-1%-0402, "100 Ohms ±1% 0.1W, 1/10W Chip Resistor 0402 (1005 Metric) Automotive AEC-Q200, Moisture Resistant Thick Film", Case/Package=0402, Manufacturer="KOA Speer Electronics, Inc.", Manufacturer Part Number=RK73H1ETTP1000F, Supplier-1=Digikey
R64 R65 R73 R89 R91 R94 R99 R100 R104: library part RES_100K-0.1W-1%-0402, "100 kOhms ±1% 0.1W, 1/10W Chip Resistor 0402 (1005 Metric) Anti-Sulfur Thin Film", Case/Package=0402, Manufacturer="Vishay Beyschlag/Draloric/BC Components", Manufacturer Part Number=MCS04020C1003FE000, Supplier-1=Digikey
R66 R72 R80 R102: library part RES_200K-0.1W-1%-0402, "200 kOhms ±1% 0.1W, 1/10W Chip Resistor 0402 (1005 Metric) Automotive AEC-Q200 Thick Film", Case/Package=0402, Manufacturer="Panasonic Electronic Components", Manufacturer Part Number=ERJ-2RKF2003X, Supplier-1=Digikey
R68: library part RES_39K-0.1W-1%-0402, "39 kOhms ±1% 0.1W, 1/10W Chip Resistor 0402 (1005 Metric) Automotive AEC-Q200, Moisture Resistant Thick Film", Case/Package=0402, Manufacturer="KOA Speer Electronics, Inc.", Manufacturer Part Number=RK73H1ETTP3902F, Supplier-1=Digikey
R69: library part RES_118K-0.1W-1%-0402, "118 kOhms ±1% 0.1W, 1/10W Chip Resistor 0402 (1005 Metric) Automotive AEC-Q200, Moisture Resistant Thick Film", Case/Package=0402, Manuafcturer Part Number=RK73H1ETTP1183F, Manufacturer="KOA Speer Electronics, Inc.", Supplier-1=Digikey
R70 R96 R97: library part RES_5.6K-0.1W-1%-0402, "5.6 kOhms ±1% 0.1W, 1/10W Chip Resistor 0402 (1005 Metric) Automotive AEC-Q200, Moisture Resistant Thick Film", Case/Package=0402, Manufacturer="KOA Speer Electronics, Inc.", Manufacturer Part Number=RK73H1ETTP5601F, Supplier-1=Digikey
R71: library part RES_12K-0.1W-1%-0402, "12 kOhms ±1% 0.1W, 1/10W Chip Resistor 0402 (1005 Metric) Anti-Sulfur Thin Film", Case/Package=0402, Manufacturer="Vishay Beyschlag/Draloric/BC Components", Manufacturer Part Number=MCS04020C1202FE000, Supplier-1=Digikey
R77: library part RES_1M-0.05W-1%-0201, "1 MOhms ±1% 0.05W, 1/20W Chip Resistor 0201 (0603 Metric) Thick Film", Case/Package=0201, Manufacturer=Yageo, Manufacturer Part Number=RC0201FR-071ML, Supplier-1=Digikey
R79: library part RES_51K-0.1W-1%-0402, "51 kOhms ±1% 0.1W, 1/10W Chip Resistor 0402 (1005 Metric) Automotive AEC-Q200 Thick Film", Case/Package=0402, Manufacturer="Panasonic Electronic Components", Manufacturer Part Number=ERJ-2RKF5102X, Supplier-1=Digikey
R81: library part RES_0R-0.1W-1%-0402, "0 Ohms Jumper 0.1W, 1/10W Chip Resistor 0402 (1005 Metric) Automotive AEC-Q200 Thick Film", Case/Package=0402, Manufacturer="Panasonic Electronic Components", Manufacturer Part Number=ERJ-2GE0R00X, Supplier-1=Digikey
R87 R88: library part RES_300K-0.1W-1%-0402, "300 kOhms ±1% 0.1W, 1/10W Chip Resistor 0402 (1005 Metric) Automotive AEC-Q200 Thick Film", Case/Package=0402, Manufacturer="Panasonic Electronic Components", Manufacturer Part Number=ERJ-2RKF3003X, Supplier-1=Digikey
R92 R93: library part RES_2M-0.1W-1%-0402, "2 MOhms ±1% 0.1W, 1/10W Chip Resistor 0402 (1005 Metric) Anti-Sulfur Thin Film", Case/Package=0402, Manufacturer="Vishay Beyschlag/Draloric/BC Components", Manufacturer Part Number=MCS04020C2004FE000, Supplier-1=Digikey
R95: library part RES_3.4K-0.1W-1%-0402, "3.4 kOhms ±1% 0.1W, 1/10W Chip Resistor 0402 (1005 Metric) Automotive AEC-Q200 Thick Film", Case/Package=0402, Manufacturer="Panasonic Electronic Components", Manufacturer Part Number=ERJ-2RKF3401X, Supplier-1=Digikey
R98: library part RES_3.3R-0.1W-1%-0402, "3.3 Ohms ±1% 0.1W, 1/10W Chip Resistor 0402 (1005 Metric) Anti-Sulfur, Automotive AEC-Q200 Thick Film", Case/Package=0402, Manufacturer="Panasonic Electronic Components", Manufacturer Part Number=ERJ-U02F3R30X, Supplier-1=Digikey
R105: library part RES_30K-0.1W-1%-0402, "30 kOhms ±1% 0.1W, 1/10W Chip Resistor 0402 (1005 Metric) Automotive AEC-Q200, Moisture Resistant Thick Film", Case/Package=0402, Manufacturer="KOA Speer Electronics, Inc.", Manufacturer Part Number=RK73H1ETTP3002F, Supplier-1=Digikey
R106: library part RES_6.8K-0.1W-1%-0402, "6.8 kOhms ±1% 0.1W, 1/10W Chip Resistor 0402 (1005 Metric) Anti-Sulfur Thin Film", Case/Package=0402, Manufacturer="Vishay Beyschlag/Draloric/BC Components", Manufacturer Part Number=MCS04020C6801FE000, Supplier-1=Digikey
R107: library part RES_4.7K-0.1W-1%-0402, "4.7 kOhms ±1% 0.1W, 1/10W Chip Resistor 0402 (1005 Metric) Automotive AEC-Q200 Thick Film", Case/Package=0402, Manufacturer="Panasonic Electronic Components", Manufacturer Part Number=ERJ-2RKF4701X, Supplier-1=Digikey
R110 R111 R112 R113: library part RES_0R-0.05W-1%-0201, "0 Ohms Jumper 0.05W, 1/20W Chip Resistor 0201 (0603 Metric) Automotive AEC-Q200 Thick Film", Case/Package=0201, Manufacturer="Bourns Inc.", Manufacturer Part Number=CR0201AJ/-000GLF, Supplier-1=Digikey
R114 R115 R116 R121 R122 R123 R124 R125 R126 R127 R128 R129 R130 R131: library part RES_4.7K-0.1W-1%-0201, "4.02 kOhms ±1% 0.05W, 1/20W Chip Resistor 0201 (0603 Metric) Thick Film", Case/Package=0201, Manufacturer=Yageo, Manufacturer Part Number=RC0201FR-074K02L, Supplier-1=Digikey